# KiCad board AMC_FMC_Carrier-PcbDoc.kicad_pcb (continued)
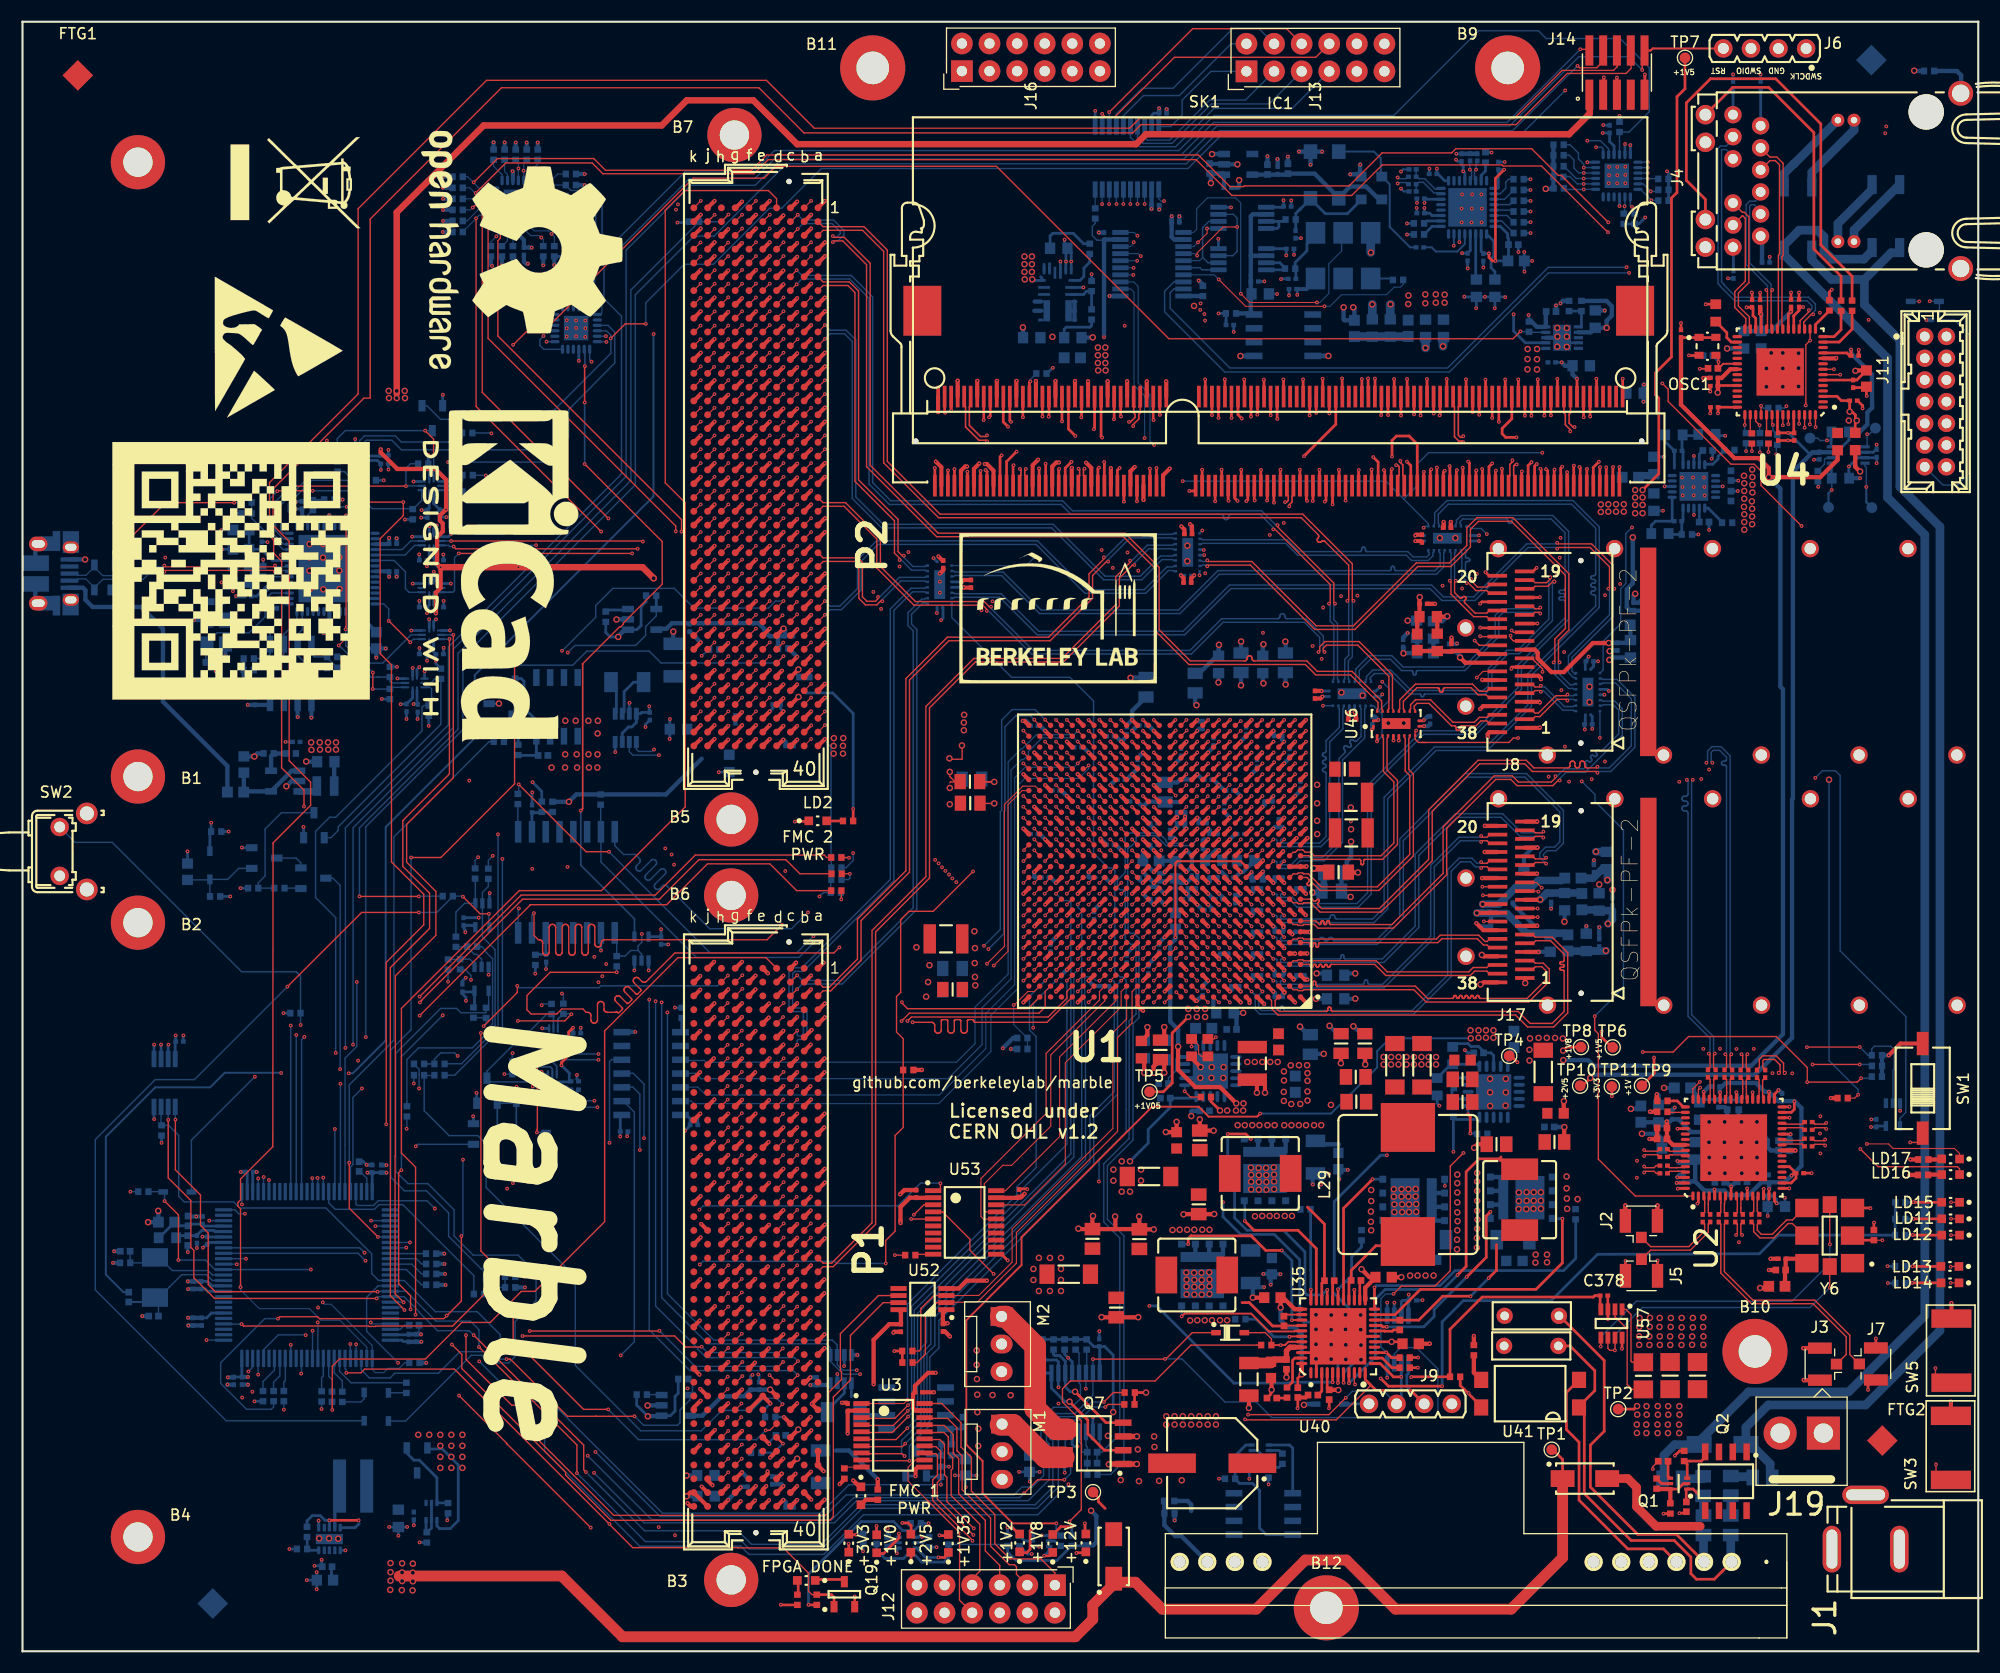
[diagram p0: board, top side]
## Routing (per net, layer and track width the routed paths; a pad name or vN(x,y) marks a point on that pad's centre or on a via; arc(x,y) is an arc through that point) (continued)
VCCAUX: length 11.5
  Top w0.381: U1.L11 v1(108.12,69.73) ; U1.P10 v1(109.12,73.73) ; U1.U11 v1(108.12,76.73) ; U1.M10 v1(109.12,70.73) ; U1.T10 v1(109.12,75.73)
  Top w0.6: C235.1 119.87,72.08 v2(118.86,72.08) 118.87,72.09
  Bottom w0.381: C223.1 108.27,76.58 v1(108.12,76.73) ; C231.1 107.97,69.88 v1(108.12,69.73) ; C229.1 109.27,70.88 v1(109.12,70.73) ; v1(109.12,75.73) 109.27,75.58 C226.1 ; v1(109.12,73.73) 108.79,73.73 C227.1
  Bottom w0.6: v2(118.71,69.85) 118.72,69.84 119.53,69.84 ; C233.1 119.76,69.99 ; v2(118.86,72.08) 118.87,72.07 119.68,72.07 119.68,71.79 119.62,71.73
  vias: v2(116.09,53.38) v2(116.1,52.54) v2(116.72,53.93) v2(117.48,53.95) v2(118.23,53.95) v2(118.26,53.22) v2(118.26,52.51)
VCCAUXIO2V0: length 50.3
  Top w0.254: TP7.1 153.01,143.83 152.27,143.09 152.27,134.28 151.76,133.77 151.76,119.14 150.29,117.67 150.29,115.66 150.59,115.36 150.59,108.38 v2(149.1,106.89)
  Top w0.381: U1.P8 v1(111.12,73.73) ; U1.R9 v1(110.12,74.73) ; U1.T8 v1(111.12,75.73)
  Bottom w0.254: R70.1 149.9,103.64 150.29,104.02 C75.1 151.83,104.2 U47.11
  Bottom w0.381: v1(111.12,73.73) 111.1,73.73 110.43,73.05 C385.1
  vias: v2(148.42,106.89) v2(148.42,106.21) v2(148.42,105.52) v2(148.42,104.76) v2(149.1,106.21) v2(149.1,105.52) v2(149.1,104.76)
VCCBRAM: length 5.1
  Top w0.381: U1.T12 v1(107.12,75.73) ; U1.R13 v1(106.12,74.73) ; v1(105.13,71.73) 105.13,71.74 U1.N13 ; v1(106.27,76.76) 106.15,76.76 U1.U13
  Bottom w0.4: C218.1 104.99,71.59 v1(105.13,71.73) ; C220.1 105.97,74.88 106.09,74.76 106.12,74.76 ; C216.1 106.27,77.22 v1(106.27,76.76) ; C3.1 106.98,75.87 v1(107.12,75.73)
  vias: v2(112.73,54.24) v2(113.41,54.24) v2(114.1,54.24) v2(114.83,54.24) v2(115.52,54.24)
(no net):
  vias: v1(114.79,102.76) v1(116.08,103.86)
+3.3P: length 360.1
  Top w0.254: U57.4 145.2,31.54 C378.1 144.72,32.74 144.58,32.6 134.34,32.6 131.38,29.64 R179.1 127.84,25.27 v1(127.81,25.24) ; v1(125,25.11) 125.71,24.4 v1(130.65,24.4) ; R13.1 102.35,23.79 R14.1 v2(103.4,23.82)
  Top w0.4: U52.8 80.85,31.23 C20.1 79.77,30.11 78.33,28.67 v1(78.33,24.58)
  Top w0.6: 144.24,143.56 144.24,141.54 142.34,139.64 103.4,139.64 102.49,138.73 71.29,138.73 67.26,142.76 61.13,142.76 58.82,140.45 42.44,140.45 34.44,132.45 34.44,115.76
  In2.Cu w0.254: v1(95.92,16.44) 95.35,17.01 v1(95.35,22.8) ; v1(127.81,25.24) 127.84,25.26 127.84,32.34 127.58,32.59 v1(127.58,32.84)
  Bottom w0.254: v1(35.99,87.19) 36,87.2 36.36,87.2 36.3,87.25 U24.6 ; 32.18,42.31 32.18,44.06 C208.1 C197.1 ; C192.2 127.02,32.3 126.9,32.18 U29.7 ; C192.2 127.59,32.83 v1(127.58,32.84) ; C192.2 127.55,32.26 U29.8 ; v1(16.61,37.15) 16.92,37.46 C205.1 17.19,37.64 U54.19 ; U32.7 55.2,84.51 55.77,85.08 56.08,85.08 56.5,85.5 U32.4 56.87,86.3 56.99,86.42 C351.1 57.68,86.47 v1(57.68,86.99) ; C190.1 99.6,28.05 ; C190.1 99.15,28 U27.8 99.15,27.57 ; C190.1 98.59,28.05 R130.1 R173.1 R177.1 R176.1 R175.1 R174.1 ; 99.6,28.05 99.62,28.03 ; 99.6,28.05 100.38,27.27 v2(100.38,22.02) ; U28.7 13.4,55.81 v1(13.43,55.85) ; R274.1 50.94,129.27 50.07,128.4 R39.1 ; R258.1 57.39,96.61 56.93,96.15 56.93,94.43 56.54,94.04 U55.1 ; 21.18,42.31 21.18,44.06 C198.1 ; 41.5,66.82 40.64,66.82 40.64,66.49 40.75,66.37 v1(40.75,66.18) ; 41.5,66.82 U7.5 ; 41.5,66.82 40.87,66.82 ; v1(14.09,56.68) 14.1,56.68 C191.2 14.05,56.08 U28.8 ; U54.75 34.93,28.64 35.05,28.51 35.56,28.51 35.6,28.48 ; R273.1 38.05,90.91 v1(38.05,91.18) 38.05,91.18 38.05,91.79 37.84,92 U25.6 ; R263.1 v1(24.03,58.74) ; v1(28.01,111.45) 28.03,111.43 R204.1 ; v1(12.75,55.85) 12.75,55.84 U28.6 ; v1(95.92,16.44) 95.91,16.45 R172.1 ; 61.33,131.59 61.27,131.54 61.24,131.54 61.21,131.51 v1(60.27,131.51) ; C209.1 19.47,25.25 C203.1 20.18,25.25 U54.100 ; R259.1 53.68,93.78 54.09,93.37 v2(54.82,93.37) ; v1(40.81,59.88) 40.81,60.19 40.45,60.56 40.59,60.7 41.49,60.7 U10.5 41.6,59.11 ; v1(130.65,24.4) 130.65,30.32 132.61,32.28 140.69,32.28 144.95,36.54 159.86,36.59 161.58,38.31 R266.1 R267.1 172.36,39.79 R268.1 ; R246.1 45.45,51.95 v1(45.46,51.96) ; R178.1 v1(12.8,46.8) ; R260.1 60.35,23.75 60.06,23.46 60.06,22.12 59.62,21.68 U43.1 ; 37.12,18.62 38.65,18.62 40.1,17.16 40.1,12.03 39.37,11.29 38.39,11.29 38.14,11.54 Q15.4 ; v2(57.55,21.63) 56.52,22.66 R261.1 ; C201.1 16.95,30.69 17.38,31.12 17.38,31.14 U54.6 ; U54.11 17.43,33.64 17.02,34.05 C206.1 ; R128.1 v1(37.39,85.18)
  Bottom w0.381: v1(20.75,25.25) 20.74,25.25 C203.1 ; v1(18.89,25.21) 19.43,25.21 C209.1 ; R40.1 v1(47.93,127.57) ; v1(15.21,34.05) 15.22,34.05 C206.1 ; R39.1 48.94,127.6 v1(48.94,127.6) ; R48.2 v1(38.71,132.68) ; v1(43.21,127.52) 43.1,127.64 R41.1 ; C201.1 15.24,30.69 v1(15.24,30.7) ; v1(33.5,44.06) 33.01,44.06 C197.1 ; R57.2 v1(51.76,133.95) ; U5.21 45.64,130.42 46.15,129.91 C40.2 46.84,129.22 v1(46.86,129.2) ; R75.2 v1(51.74,134.97) ; v1(36.7,28.49) 36.69,28.48 35.6,28.48 ; v1(38.71,133.7) R47.2 ; R46.2 v1(38.68,130.65) ; v1(31.75,44.06) 32.19,44.06 C208.1 ; R45.2 v1(38.71,131.66) ; C198.1 v1(21.55,44.12)
  Bottom w0.4: v2(12.49,40.54) 12.51,40.53 L9.1 v2(11.55,39.5) ; U17.4 74.17,24.51 72.52,24.51 v1(72.51,24.5) ; 55.32,93.89 55.31,93.91 55.31,93.92 54.82,93.44 v2(54.82,93.37) ; v2(117.94,22.68) 118.01,22.75 D5.1 ; 57.55,21.64 58.68,21.64
  vias: v2(33.7,116.02) v2(33.73,115.36) v2(34.44,116.02) v2(34.44,115.36) v2(35.18,116.02) v2(35.2,115.36) v2(36.42,19.93) v2(37.44,19.93) v2(38.45,19.93) v2(38.45,18.91) v2(38.45,17.9) v2(38.45,16.88) v2(39.47,19.93) v2(39.47,18.91) v2(39.47,17.9) v2(39.47,16.88) v2(40.48,19.93) v2(40.48,18.91) v2(40.48,17.9) v2(40.48,16.88)
/ALERT: length 160.5
  Top w0.127: v1(95.88,15.79) 93.42,15.79 v1(92.17,14.54)
  In2.Cu w0.127: v1(52.02,18) 48.92,21.1 48.92,47.08 48.87,47.13 48.87,54.17 48.82,54.22 48.82,80.53 48.21,81.14 48.21,100.65 53.22,105.67 53.22,120.59 v1(53.69,121.06)
  Bottom w0.127: 60.68,12.11 60.59,12.11 ; 60.68,12.11 57.91,12.11 v1(52.02,18) ; 60.68,12.11 74.47,12.11 76.5,14.14 91.77,14.14 v1(92.17,14.54) ; v1(53.69,121.06) 53.68,121.05 U39.5 ; v1(95.88,15.79) 96.46,16.37 96.46,17.76 95.93,18.29 R172.2 95.97,18.35 U27.14
/EN_CON_JTAG: length 264.4
  Top w0.127: v1(47.34,47.77) 47.34,48.02 47.38,48.06 47.38,54.47 47.35,54.51 v1(47.35,54.75) ; v1(54.14,120.86) 55.47,122.19 v1(57.36,122.19)
  In2.Cu w0.127: v1(175.54,124.27) 172.34,127.47 172.34,140.78 169.44,143.68 v1(141.98,143.68) ; v1(47.29,113.4) 47.29,111.65 47.7,111.24 47.7,102.25 v1(47.27,101.82) 47.27,92.55 47.24,92.52 47.24,81.07 46.57,80.4 46.57,71.17 46.73,71.01 46.73,61.64 47.35,61.02 v1(47.35,54.75)
  Bottom w0.127: C193.1 176.42,124.22 D15.1 176.37,124.27 v1(175.54,124.27) ; C193.1 176.35,122.47 ; C193.1 177.82,122.55 179.08,121.29 179.08,108.35 178.09,107.36 176.74,107.36 J11.13 ; U39.4 53.74,121.55 54.15,121.14 54.15,119.47 48.08,113.4 v1(47.29,113.4) 38.47,113.4 37.22,114.65 Q6.1 ; 69.52,132.83 69.87,132.83 73.53,136.49 107.26,136.49 110.39,139.61 137.92,139.61 v1(141.98,143.68) ; 69.52,132.83 68.75,132.83 63.6,127.68 60.91,127.68 57.36,124.13 v1(57.36,122.19) ; 69.52,132.83 69.29,132.83 ; v1(47.34,47.77) 48.17,47.77 D14.1 ; R166.2 47.25,101.81 v1(47.27,101.82)
/EN_USB_JTAG: length 109.9
  Top w0.127: v1(29.84,105.35) 30.27,105.78 v1(35.05,105.78) 35.05,104.55 32.92,102.41 32.92,91.84 33.96,90.8 33.96,72.66 36.93,69.69 36.93,66.87 33.47,63.41 v1(33.47,48.5)
  In2.Cu w0.127: v1(36.2,46.49) 34.18,48.5 v1(33.47,48.5)
  In4.Cu w0.127: v1(39.16,109.46) 35.48,105.78 v1(35.05,105.78)
  Bottom w0.127: v1(36.2,46.49) 36.37,46.67 Q5.1 ; R200.1 26.76,106.01 R127.1 27.77,105.99 28.41,105.35 v1(29.84,105.35) ; U39.3 53.88,122.05 54.51,121.43 54.51,118.58 50.26,114.29 50.26,111.8 47.93,109.46 v1(39.16,109.46)
/ETH_PHY/CLK_25MHZ: length 241.2
  Top w0.178: v1(154.37,118.05) 155.13,118.05 155.14,118.07
  In4.Cu w0.178: v1(30.03,53.2) 23.82,53.2 v1(23.8,53.23)
  In9.Cu w0.178: v1(154.37,118.05) 154.37,122.63 147.82,129.18 132.18,129.18 131.97,129.38 v1(131.73,129.38) 130.01,129.38 125.85,133.54 124.08,133.54 121.26,136.36 90.29,136.36 88.19,134.25 60.32,134.25 58.09,132.02 v1(58.09,121.25)
  Bottom w0.178: U20.23 131.75,129.4 v1(131.73,129.38) ; v1(23.8,53.23) 23.77,53.25 18.62,53.25 17.27,51.91 12.21,51.91 7.67,47.36 7.67,34.67 9.29,33.05 C102.2 ; v1(30.03,53.2) 30.4,53.2 33.42,56.23 33.42,75.86 41.63,84.06 41.63,89.87 58.07,106.31 58.07,121.26
/ETH_PHY/MDI0_N: length 13.2
  Top w0.13: U4.27 158.93,121.8 158.93,122.82 157.92,123.83 157.92,125.02 158.89,125.98 158.89,132.04 158.46,132.46 158.28,132.46 157.43,133.32
/ETH_PHY/MDI0_P: length 12.6
  Top w0.13: U4.28 158.6,121.8 158.6,122.69 157.59,123.7 157.59,125.15 158.56,126.12 158.56,131.9 158.32,132.13 158.28,132.13 J4.11
/ETH_PHY/MDI1_N: length 13.8
  Top w0.13: v1(161.04,125.31) 160.93,125.2 160.93,121.8 U4.23
  Bottom w0.13: J4.5 159.97,132.58 159.39,133.15 159.09,133.15 158.96,133.02 158.96,127.8 160.93,125.83 160.93,125.42 v1(161.04,125.31)
/ETH_PHY/MDI1_P: length 14.4
  Top w0.13: v1(160.49,125.31) 160.6,125.2 160.6,121.8 U4.24
  Bottom w0.13: J4.4 159.97,133.98 159.47,133.48 158.96,133.48 158.63,133.15 158.63,127.66 160.6,125.69 160.6,125.42 v1(160.49,125.31)
/ETH_PHY/MDI2_N: length 18
  Top w0.13: J4.2 160.82,137.54 161.46,137.54 162.04,136.96 162.04,128.47 161.93,128.37 161.93,121.8 U4.21
/ETH_PHY/MDI2_P: length 17.4
  Top w0.13: U4.22 161.6,121.8 161.6,128.5 161.71,128.61 161.71,136.83 161.32,137.21 160.82,137.21 J4.3
/ETH_PHY/MDI3_N: length 26.1
  Top w0.13: U4.17 163.93,121.8 163.93,122.35 164.65,123.07 v1(164.8,123.07)
  Bottom w0.13: J4.9 157.43,137.61 156.8,138.23 156.4,138.23 156.37,138.2 156.37,126.05 156.59,125.84 156.59,125.78 157.72,124.64 164.38,124.64 165.01,124.01 165.01,123.43 164.8,123.22 v1(164.8,123.07)
/ETH_PHY/MDI3_P: length 26.7
  Top w0.13: U4.18 163.6,121.8 163.6,122.49 164.41,123.3 v1(164.41,123.46)
  Bottom w0.13: J4.8 157.43,139.18 156.81,138.56 156.27,138.56 156.04,138.34 156.04,125.88 156.08,125.88 156.26,125.7 156.26,125.64 157.59,124.31 164.24,124.31 164.68,123.87 164.68,123.57 164.57,123.46 v1(164.41,123.46)
/ETH_PHY/MII_MDC: length 255.3
  In4.Cu w0.127: v1(20.22,23.36) 39.86,23.36 49.92,13.29 94.67,13.29 101.39,20.01 101.39,24 104.65,27.25 112.1,27.25 116.6,31.76 134.73,31.76 135.84,32.86 158.65,32.86 159.7,33.9 160.04,33.9 161.07,34.93 161.07,35.18 174.24,48.35 174.24,61.64 172.34,63.54 172.34,104.54 v1(169.69,107.18)
  In7.Cu w0.127: v1(20.57,36.13) 20.57,26.99 20.22,26.64 v1(20.22,23.36)
  Bottom w0.127: U6.4 169.58,109.09 169.69,108.98 v1(169.69,107.18) ; U54.16 20.57,36.14 v1(20.57,36.13)
  Bottom w0.2: TP25.1 169.69,105.78 v1(169.69,107.18)
/ETH_PHY/MII_MDIO: length 255.3
  In4.Cu w0.127: v1(21.16,23.89) 40.69,23.89 49.85,14.73 91.47,14.73 91.92,15.18 93.32,15.18 95.47,17.34 96.72,17.34 100.89,21.51 100.89,24.27 104.47,27.85 111.02,27.85 115.6,32.44 127.69,32.44 127.92,32.67 129.3,32.67 129.62,32.34 134.73,32.34 135.61,33.21 158.32,33.21 160.54,35.43 160.68,35.43 161.22,35.97 161.22,36.22 172.1,47.1 172.1,101.32 v1(166.52,106.9)
  In7.Cu w0.127: v1(21.16,23.89) 21.16,39.59 v1(20.47,40.27)
  Bottom w0.127: U54.25 19.55,40.64 19.91,40.27 v1(20.47,40.27) ; v1(166.52,106.9) 166.52,106.9 R62.1 ; 166.48,108.13 166.48,107.95
  Bottom w0.2: TP24.1 166.21,106.59 v1(166.52,106.9)
  Bottom w0.254: 166.48,108.13 166.48,108.13 166.48,109.36
/ETH_PHY/PHY_RSTn: length 112.5
  Top w0.102: v1(110.12,60.73) 110.12,60.73 U1.B9
  Top w0.127: v1(164.11,114.68) 164.11,114.93 164.13,114.95 164.13,120.26 v1(164.53,120.66) 164.52,120.67 U4.16
  In2.Cu w0.127: v1(164.11,114.68) 164.37,114.68 165.73,113.32 165.73,75.58 165.58,75.43 150.09,59.94 150.09,59.93 148.23,58.08 139.22,58.08 138.19,59.11 121.59,59.11 121.19,58.71 113.99,58.71 113.37,59.32 110.98,59.32 110.6,59.71 110.6,59.96 110.12,60.44 v1(110.12,60.73)
/ETH_PHY/POE_VC1: length 8.2
  Bottom w0.8: 167.08,140.91 167.03,140.91 163.07,136.94 163.04,136.94 162.14,136.04 D6.1
/ETH_PHY/POE_VC2: length 6.6
  Bottom w0.8: 167.08,129.73 167.08,131.42 170.22,134.56 D7.1
/ETH_PHY/POE_VC3: length 7.7
  Bottom w0.8: D6.2 164.68,136.14 168.57,140.03 168.57,140.91
/ETH_PHY/POE_VC4: length 7
  Bottom w0.8: D7.2 168.57,130.82 168.57,129.73
/ETH_PHY/RGMII_RX_CLK: length 112.5
  Top w0.102: U1.E11 v1(108.12,63.73)
  In2.Cu w0.127: v1(162.34,114.61) 162.72,114.23 164.28,114.23 165.45,113.07 165.45,109.12 164.49,108.16 164.49,105.7 163.4,104.61 163.4,92.01 164.13,91.28 164.11,79.67 162.57,78.13 162.57,73.54 149.23,60.2 146.49,60.2 145.26,58.97 142.65,58.97 140.86,60.77 139.33,60.77 138.06,59.51 129.61,59.51 129.54,59.52 129.46,59.54 129.4,59.58 129.34,59.64 129.3,59.7 129.27,59.78 129.26,59.93 129.23,60.01 129.19,60.07 129.13,60.13 129.07,60.17 128.99,60.2 128.92,60.21 128.56,60.21 128.49,60.2 128.41,60.17 128.35,60.13 128.29,60.07 128.25,60.01 128.22,59.93 128.22,59.86 128.22,59.51 128.21,59.51 128.21,59.43 128.21,59.42 128.21,59.4 128.2,59.39 128.19,59.37 128.17,59.37 128.16,59.36 128.14,59.36 127.24,59.36 127.22,59.36 127.21,59.37 127.19,59.37 127.18,59.39 127.17,59.4 127.17,59.42 127.16,59.45 127.16,59.47 127.15,59.48 127.14,59.49 127.12,59.5 127.11,59.51 127.09,59.51 120.96,59.51 120.69,59.24 114.11,59.24 113.28,60.07 111.28,60.07 110.14,61.21 108.83,61.21 108.49,61.56 108.49,62.54 108.46,62.57 108.46,62.6 108.46,63.39 v1(108.12,63.73)
  Bottom w0.127: v1(162.34,114.61) 162.16,114.44 R292.2
/ETH_PHY/RGMII_RX_DV: length 89.8
  Top w0.102: U1.J11 v1(108.12,67.73)
  In2.Cu w0.127: v1(158.63,110.47) 156.89,108.73 156.89,77.32 147.37,67.8 141.45,67.8 140.89,67.24 138.12,67.24 137.71,67.64 134.23,67.64 134.08,67.49 130.5,67.49 129.93,68.06 121.05,68.06 119.95,69.16 110.05,69.16 108.62,67.73 v1(108.12,67.73)
  Bottom w0.13: R291.2 v1(158.63,110.47)
/ETH_PHY/RGMII_RXD0: length 104.7
  Top w0.102: 108.6,68.22 v1(109.1,67.72)
  Top w0.13: R293.2 v1(159.17,110.47)
  In2.Cu w0.127: v1(159.17,110.47) 157.26,108.57 157.26,81.24 157.26,81.23 157.26,81.22 157.25,81.21 157.24,81.2 157.23,81.2 157.22,81.19 157.2,81.19 157.19,81.19 157.18,81.18 157.17,81.17 157.17,81.16 157.16,81.15 157.16,81.14 157.16,80.64 157.16,80.63 157.17,80.62 157.17,80.61 157.18,80.6 157.19,80.6 157.2,80.59 157.21,80.59 157.61,80.59 157.68,80.58 157.74,80.56 157.8,80.53 157.84,80.48 157.88,80.42 157.9,80.36 157.91,80.29 157.9,80.22 157.88,80.16 157.84,80.1 157.8,80.06 157.74,80.02 157.68,80 157.61,79.99 157.21,79.99 157.2,79.99 157.19,79.99 157.18,79.98 157.17,79.97 157.17,79.96 157.16,79.95 157.16,79.94 157.16,79.44 157.16,79.43 157.17,79.42 157.17,79.41 157.18,79.4 157.19,79.4 157.2,79.39 157.21,79.39 157.61,79.39 157.68,79.38 157.74,79.36 157.8,79.33 157.84,79.28 157.88,79.22 157.9,79.16 157.91,79.09 157.9,79.02 157.88,78.96 157.84,78.9 157.8,78.86 157.74,78.82 157.68,78.8 157.61,78.79 157.21,78.79 157.2,78.79 157.19,78.79 157.18,78.78 157.17,78.77 157.17,78.76 157.16,78.75 157.16,78.74 157.16,78.24 157.16,78.23 157.17,78.22 157.17,78.21 157.18,78.2 157.19,78.2 157.2,78.19 157.21,78.19 157.61,78.19 157.68,78.18 157.74,78.16 157.8,78.13 157.84,78.08 157.88,78.02 157.9,77.96 157.91,77.89 157.9,77.82 157.88,77.76 157.84,77.7 157.8,77.66 157.74,77.62 157.68,77.6 157.61,77.59 157.56,77.59 157.49,77.58 157.43,77.56 157.37,77.53 157.33,77.48 157.29,77.42 157.27,77.36 157.26,77.29 157.26,76.99 156.9,76.63 156.88,76.62 156.86,76.6 156.83,76.6 156.8,76.6 156.77,76.6 156.75,76.62 156.71,76.65 156.68,76.66 156.65,76.67 156.63,76.67 156.6,76.66 156.57,76.65 156.55,76.63 156.3,76.38 156.29,76.36 156.27,76.34 156.27,76.31 156.27,76.28 156.27,76.26 156.29,76.23 156.3,76.21 156.5,76.01 156.52,75.99 156.53,75.96 156.54,75.93 156.54,75.89 156.53,75.86 156.52,75.83 156.5,75.8 156.28,75.59 156.26,75.57 156.23,75.56 156.2,75.55 156.16,75.55 156.13,75.56 156.1,75.57 156.07,75.59 155.88,75.78 155.86,75.8 155.83,75.81 155.8,75.82 155.78,75.82 155.75,75.81 155.72,75.8 155.7,75.78 155.45,75.54 155.44,75.51 155.43,75.49 155.42,75.46 155.42,75.43 155.43,75.41 155.44,75.38 155.45,75.36 155.65,75.17 155.67,75.14 155.68,75.11 155.69,75.08 155.69,75.04 155.68,75.01 155.67,74.98 155.65,74.95 155.44,74.74 155.41,74.72 155.38,74.71 155.35,74.7 155.31,74.7 155.28,74.71 155.25,74.72 155.22,74.74 155.03,74.94 155.01,74.95 154.98,74.97 154.96,74.97 154.93,74.97 154.9,74.97 154.88,74.95 154.85,74.94 154.61,74.69 154.59,74.67 154.58,74.64 154.57,74.61 154.57,74.59 154.58,74.56 154.59,74.53 154.61,74.51 154.8,74.32 154.82,74.29 154.84,74.26 154.84,74.23 154.84,74.2 154.84,74.16 154.82,74.13 154.8,74.11 154.59,73.89 154.56,73.87 154.53,73.86 154.5,73.85 154.46,73.85 154.43,73.86 154.4,73.87 154.38,73.89 154.18,74.09 154.16,74.1 154.13,74.12 154.11,74.12 154.08,74.12 154.05,74.12 154.03,74.1 154.01,74.09 153.76,73.84 153.76,73.66 153.95,73.47 153.97,73.44 153.99,73.41 153.99,73.38 153.99,73.35 153.99,73.31 153.97,73.28 153.95,73.26 153.59,72.89 152.93,72.89 147.6,67.55 145.69,67.55 145.36,67.22 142.85,67.22 141.85,66.22 138.56,66.22 138.54,66.22 138.52,66.23 138.5,66.24 138.49,66.26 138.48,66.28 138.47,66.3 138.47,66.32 138.47,66.7 138.46,66.76 138.44,66.82 138.41,66.87 138.36,66.91 138.31,66.94 138.25,66.96 138.19,66.97 138.14,66.97 138.08,66.96 138.02,66.94 137.97,66.91 137.93,66.87 137.89,66.82 137.87,66.76 137.87,66.7 137.87,66.32 137.86,66.3 137.86,66.28 137.84,66.26 137.83,66.24 137.81,66.23 137.79,66.22 137.77,66.22 137.36,66.22 137.34,66.22 137.32,66.23 137.3,66.24 137.29,66.26 137.28,66.28 137.27,66.3 137.27,66.32 137.27,67.07 137.26,67.14 137.24,67.2 137.2,67.26 137.15,67.31 137.1,67.34 137.03,67.36 136.97,67.37 136.9,67.36 136.84,67.34 136.78,67.31 136.73,67.26 136.7,67.2 136.67,67.14 136.67,67.07 136.67,66.32 136.66,66.3 136.66,66.28 136.64,66.26 136.63,66.24 136.61,66.23 136.59,66.22 136.57,66.22 136.16,66.22 136.14,66.22 136.12,66.23 136.1,66.24 136.09,66.26 136.08,66.28 136.07,66.3 136.07,66.32 136.07,67.07 136.06,67.14 136.04,67.2 136,67.26 135.95,67.31 135.9,67.34 135.83,67.36 135.77,67.37 135.7,67.36 135.64,67.34 135.58,67.31 135.53,67.26 135.5,67.2 135.47,67.14 135.47,67.07 135.47,66.32 135.46,66.3 135.46,66.28 135.44,66.26 135.43,66.24 135.41,66.23 135.39,66.22 135.37,66.22 134.96,66.22 134.94,66.22 134.92,66.23 134.9,66.24 134.89,66.26 134.88,66.28 134.87,66.3 134.87,66.32 134.87,66.62 134.86,66.67 134.85,66.71 134.82,66.75 134.79,66.78 134.75,66.8 134.71,66.82 134.67,66.82 134.46,66.82 134.42,66.82 134.38,66.8 134.34,66.78 134.31,66.75 134.29,66.71 134.27,66.67 134.27,66.62 134.27,66.32 134.26,66.3 134.26,66.28 134.24,66.26 134.23,66.24 134.21,66.23 134.19,66.22 134.17,66.22 133.76,66.22 133.74,66.22 133.72,66.23 133.7,66.24 133.69,66.26 133.68,66.28 133.67,66.3 133.67,66.32 133.67,66.6 133.66,66.64 133.65,66.67 133.63,66.71 133.6,66.73 133.57,66.75 133.53,66.77 133.49,66.77 133.24,66.77 133.2,66.77 133.16,66.75 133.13,66.73 133.1,66.71 133.08,66.67 133.07,66.64 133.07,66.6 133.07,66.32 133.06,66.3 133.06,66.28 133.04,66.26 133.03,66.24 133.01,66.23 132.99,66.22 132.97,66.22 132.56,66.22 132.54,66.22 132.52,66.23 132.5,66.24 132.49,66.26 132.48,66.28 132.47,66.3 132.47,66.32 132.47,66.92 132.46,66.99 132.44,67.05 132.4,67.11 132.35,67.16 132.3,67.19 132.23,67.21 132.17,67.22 132.1,67.21 132.04,67.19 131.98,67.16 131.93,67.11 131.9,67.05 131.87,66.99 131.87,66.92 131.87,66.42 131.86,66.42 131.86,66.32 131.86,66.3 131.86,66.28 131.84,66.26 131.83,66.24 131.81,66.23 131.79,66.22 131.77,66.22 131.36,66.22 131.34,66.22 131.32,66.23 131.3,66.24 131.29,66.26 131.27,66.28 131.27,66.3 131.26,66.34 131.26,66.37 131.24,66.38 131.23,66.4 131.21,66.41 131.19,66.42 131.17,66.42 130.62,66.42 129.68,67.36 121.06,67.36 120.07,68.36 115.94,68.36 109.73,68.36 v1(109.1,67.72)
/ETH_PHY/RGMII_RXD1: length 112.5
  Top w0.102: U1.J8 111.12,67.73 111.14,67.73 v1(111.14,67.73)
  In2.Cu w0.127: v1(111.14,67.73) 111.48,68.07 116.89,68.07 116.94,68.12 118.27,68.12 119.5,66.89 125.9,66.89 126.82,65.97 127.19,65.97 127.22,65.97 127.24,65.96 127.26,65.94 127.28,65.93 127.29,65.91 127.3,65.88 127.31,65.83 127.32,65.81 127.33,65.78 127.35,65.77 127.37,65.75 127.39,65.74 127.42,65.74 127.79,65.74 127.82,65.74 127.84,65.75 127.86,65.77 127.88,65.78 127.89,65.81 127.9,65.83 127.9,65.86 127.9,65.97 127.92,65.97 127.92,66.65 127.92,66.71 127.94,66.78 127.98,66.83 128.03,66.88 128.09,66.92 128.15,66.94 128.22,66.95 128.28,66.94 128.35,66.92 128.4,66.88 128.45,66.83 128.49,66.78 128.51,66.71 128.52,66.65 128.52,65.86 128.52,65.83 128.53,65.81 128.54,65.78 128.56,65.77 128.58,65.75 128.6,65.74 128.63,65.74 129,65.74 129.03,65.74 129.05,65.75 129.07,65.77 129.09,65.78 129.1,65.81 129.11,65.83 129.12,65.88 129.13,65.91 129.14,65.93 129.16,65.94 129.18,65.96 129.2,65.97 129.23,65.97 146.99,65.97 158.18,77.16 158.18,81.38 158.18,81.41 158.19,81.44 158.2,81.46 158.22,81.48 158.25,81.5 158.27,81.51 158.33,81.51 158.35,81.52 158.38,81.54 158.4,81.56 158.41,81.58 158.42,81.61 158.43,81.63 158.43,81.98 158.42,82.01 158.41,82.04 158.4,82.06 158.38,82.08 158.35,82.1 158.33,82.11 158.3,82.11 157.83,82.11 157.76,82.12 157.7,82.14 157.64,82.18 157.59,82.22 157.56,82.28 157.53,82.34 157.53,82.41 157.53,82.48 157.56,82.54 157.59,82.6 157.64,82.64 157.7,82.68 157.76,82.7 157.83,82.71 158.3,82.71 158.33,82.71 158.35,82.72 158.38,82.74 158.4,82.76 158.41,82.78 158.42,82.81 158.43,82.83 158.43,83.18 158.42,83.21 158.41,83.24 158.4,83.26 158.38,83.28 158.35,83.3 158.33,83.31 158.3,83.31 157.83,83.31 157.76,83.32 157.7,83.34 157.64,83.38 157.59,83.42 157.56,83.48 157.53,83.54 157.53,83.61 157.53,83.68 157.56,83.74 157.59,83.8 157.64,83.84 157.7,83.88 157.76,83.9 157.83,83.91 158.3,83.91 158.33,83.91 158.35,83.92 158.38,83.94 158.4,83.96 158.41,83.98 158.42,84.01 158.43,84.03 158.43,84.38 158.42,84.41 158.41,84.44 158.4,84.46 158.38,84.48 158.35,84.5 158.33,84.51 158.3,84.51 157.83,84.51 157.76,84.52 157.7,84.54 157.64,84.58 157.59,84.62 157.56,84.68 157.53,84.74 157.53,84.81 157.53,84.88 157.56,84.94 157.59,85 157.64,85.04 157.7,85.08 157.76,85.1 157.83,85.11 158.3,85.11 158.33,85.11 158.35,85.12 158.38,85.14 158.4,85.16 158.41,85.18 158.42,85.21 158.43,85.23 158.43,85.58 158.42,85.61 158.41,85.64 158.4,85.66 158.38,85.68 158.35,85.7 158.33,85.71 158.3,85.71 157.83,85.71 157.76,85.72 157.7,85.74 157.64,85.78 157.59,85.82 157.56,85.88 157.53,85.94 157.53,86.01 157.53,86.08 157.56,86.14 157.59,86.2 157.64,86.24 157.7,86.28 157.76,86.3 157.83,86.31 158.3,86.31 158.33,86.31 158.35,86.32 158.38,86.34 158.4,86.36 158.41,86.38 158.42,86.41 158.43,86.43 158.43,86.78 158.42,86.81 158.41,86.84 158.4,86.86 158.38,86.88 158.35,86.9 158.33,86.91 158.3,86.91 157.83,86.91 157.76,86.92 157.7,86.94 157.64,86.98 157.59,87.02 157.56,87.08 157.53,87.14 157.53,87.21 157.53,87.28 157.56,87.34 157.59,87.4 157.64,87.44 157.7,87.48 157.76,87.5 157.83,87.51 158.3,87.51 158.33,87.51 158.35,87.52 158.38,87.54 158.4,87.56 158.41,87.58 158.42,87.61 158.43,87.63 158.43,87.98 158.42,88.01 158.41,88.04 158.4,88.06 158.38,88.08 158.35,88.1 158.33,88.11 158.3,88.11 157.83,88.11 157.76,88.12 157.7,88.14 157.64,88.18 157.59,88.22 157.56,88.28 157.53,88.34 157.53,88.41 157.53,88.48 157.56,88.54 157.59,88.6 157.64,88.64 157.7,88.68 157.76,88.7 157.83,88.71 158.3,88.71 158.33,88.71 158.35,88.72 158.38,88.74 158.4,88.76 158.41,88.78 158.42,88.81 158.43,88.83 158.43,89.18 158.42,89.21 158.41,89.24 158.4,89.26 158.38,89.28 158.35,89.3 158.33,89.31 158.3,89.31 157.83,89.31 157.76,89.32 157.7,89.34 157.64,89.38 157.59,89.42 157.56,89.48 157.53,89.54 157.53,89.61 157.53,89.68 157.56,89.74 157.59,89.8 157.64,89.84 157.7,89.88 157.76,89.9 157.83,89.91 158.3,89.91 158.33,89.91 158.35,89.92 158.38,89.94 158.4,89.96 158.41,89.98 158.42,90.01 158.43,90.03 158.43,90.38 158.42,90.41 158.41,90.44 158.4,90.46 158.38,90.48 158.35,90.5 158.33,90.51 158.3,90.51 157.83,90.51 157.76,90.52 157.7,90.54 157.64,90.58 157.59,90.62 157.56,90.68 157.53,90.74 157.53,90.81 157.53,90.88 157.56,90.94 157.59,91 157.64,91.04 157.7,91.08 157.76,91.1 157.83,91.11 158.3,91.11 158.33,91.11 158.35,91.12 158.38,91.14 158.4,91.16 158.41,91.18 158.42,91.21 158.43,91.23 158.43,91.58 158.42,91.61 158.41,91.64 158.4,91.66 158.38,91.68 158.35,91.7 158.33,91.71 158.3,91.71 157.83,91.71 157.76,91.72 157.7,91.74 157.64,91.78 157.59,91.82 157.56,91.88 157.53,91.94 157.53,92.01 157.53,92.08 157.56,92.14 157.59,92.2 157.64,92.24 157.7,92.28 157.76,92.3 157.83,92.31 158.3,92.31 158.33,92.31 158.35,92.32 158.38,92.34 158.4,92.36 158.41,92.38 158.42,92.41 158.43,92.43 158.43,92.78 158.42,92.81 158.41,92.84 158.4,92.86 158.38,92.88 158.35,92.9 158.33,92.91 158.3,92.91 157.83,92.91 157.76,92.92 157.7,92.94 157.64,92.98 157.59,93.02 157.56,93.08 157.53,93.14 157.53,93.21 157.53,93.28 157.56,93.34 157.59,93.4 157.64,93.44 157.7,93.48 157.76,93.5 157.83,93.51 158.3,93.51 158.33,93.51 158.35,93.52 158.38,93.54 158.4,93.56 158.41,93.58 158.42,93.61 158.43,93.63 158.43,93.98 158.42,94.01 158.41,94.04 158.4,94.06 158.38,94.08 158.35,94.1 158.33,94.11 158.3,94.11 157.83,94.11 157.76,94.12 157.7,94.14 157.64,94.18 157.59,94.22 157.56,94.28 157.53,94.34 157.53,94.41 157.53,94.48 157.56,94.54 157.59,94.6 157.64,94.64 157.7,94.68 157.76,94.7 157.83,94.71 158.3,94.71 158.33,94.71 158.35,94.72 158.38,94.74 158.4,94.76 158.41,94.78 158.42,94.81 158.43,94.83 158.43,95.18 158.42,95.21 158.41,95.24 158.4,95.26 158.38,95.28 158.35,95.3 158.33,95.31 158.3,95.31 157.83,95.31 157.76,95.32 157.7,95.34 157.64,95.38 157.59,95.42 157.56,95.48 157.53,95.54 157.53,95.61 157.53,95.68 157.56,95.74 157.59,95.8 157.64,95.84 157.7,95.88 157.76,95.9 157.83,95.91 158.3,95.91 158.33,95.91 158.35,95.92 158.38,95.94 158.4,95.96 158.41,95.98 158.42,96.01 158.43,96.03 158.43,96.38 158.42,96.41 158.41,96.44 158.4,96.46 158.38,96.48 158.35,96.5 158.33,96.51 158.3,96.51 157.83,96.51 157.76,96.52 157.7,96.54 157.64,96.58 157.59,96.62 157.56,96.68 157.53,96.74 157.53,96.81 157.53,96.88 157.56,96.94 157.59,97 157.64,97.04 157.7,97.08 157.76,97.1 157.83,97.11 158.3,97.11 158.33,97.11 158.35,97.12 158.38,97.14 158.4,97.16 158.41,97.18 158.42,97.21 158.43,97.23 158.43,97.58 158.42,97.61 158.41,97.64 158.4,97.66 158.38,97.68 158.35,97.7 158.33,97.71 158.3,97.71 157.83,97.71 157.76,97.72 157.7,97.74 157.64,97.78 157.59,97.82 157.56,97.88 157.53,97.94 157.53,98.01 157.53,98.08 157.56,98.14 157.59,98.2 157.64,98.24 157.7,98.28 157.76,98.3 157.83,98.31 158.3,98.31 158.33,98.31 158.35,98.32 158.38,98.34 158.4,98.36 158.41,98.38 158.42,98.41 158.43,98.43 158.43,98.78 158.42,98.81 158.41,98.84 158.4,98.86 158.38,98.88 158.35,98.9 158.33,98.91 158.3,98.91 157.83,98.91 157.76,98.92 157.7,98.94 157.64,98.98 157.59,99.02 157.56,99.08 157.53,99.14 157.53,99.21 157.53,99.28 157.56,99.34 157.59,99.4 157.64,99.44 157.7,99.48 157.76,99.5 157.83,99.51 157.88,99.51 157.94,99.52 158.01,99.54 158.06,99.58 158.11,99.62 158.15,99.68 158.17,99.74 158.18,99.81 158.18,102.15 157.53,102.8 157.53,108.3 159.43,110.2 159.73,110.2 v1(159.9,110.37)